# Altium PCB PCB2.PcbDoc
Units mil, origin at the board's own origin, x right, y up, seen from the top; angles counter-clockwise.
Board outline 1900 x 1700 mil, 2 copper layers (Top Layer, Bottom Layer); 10 components, 24 nets, 52 pads, 4 vias.
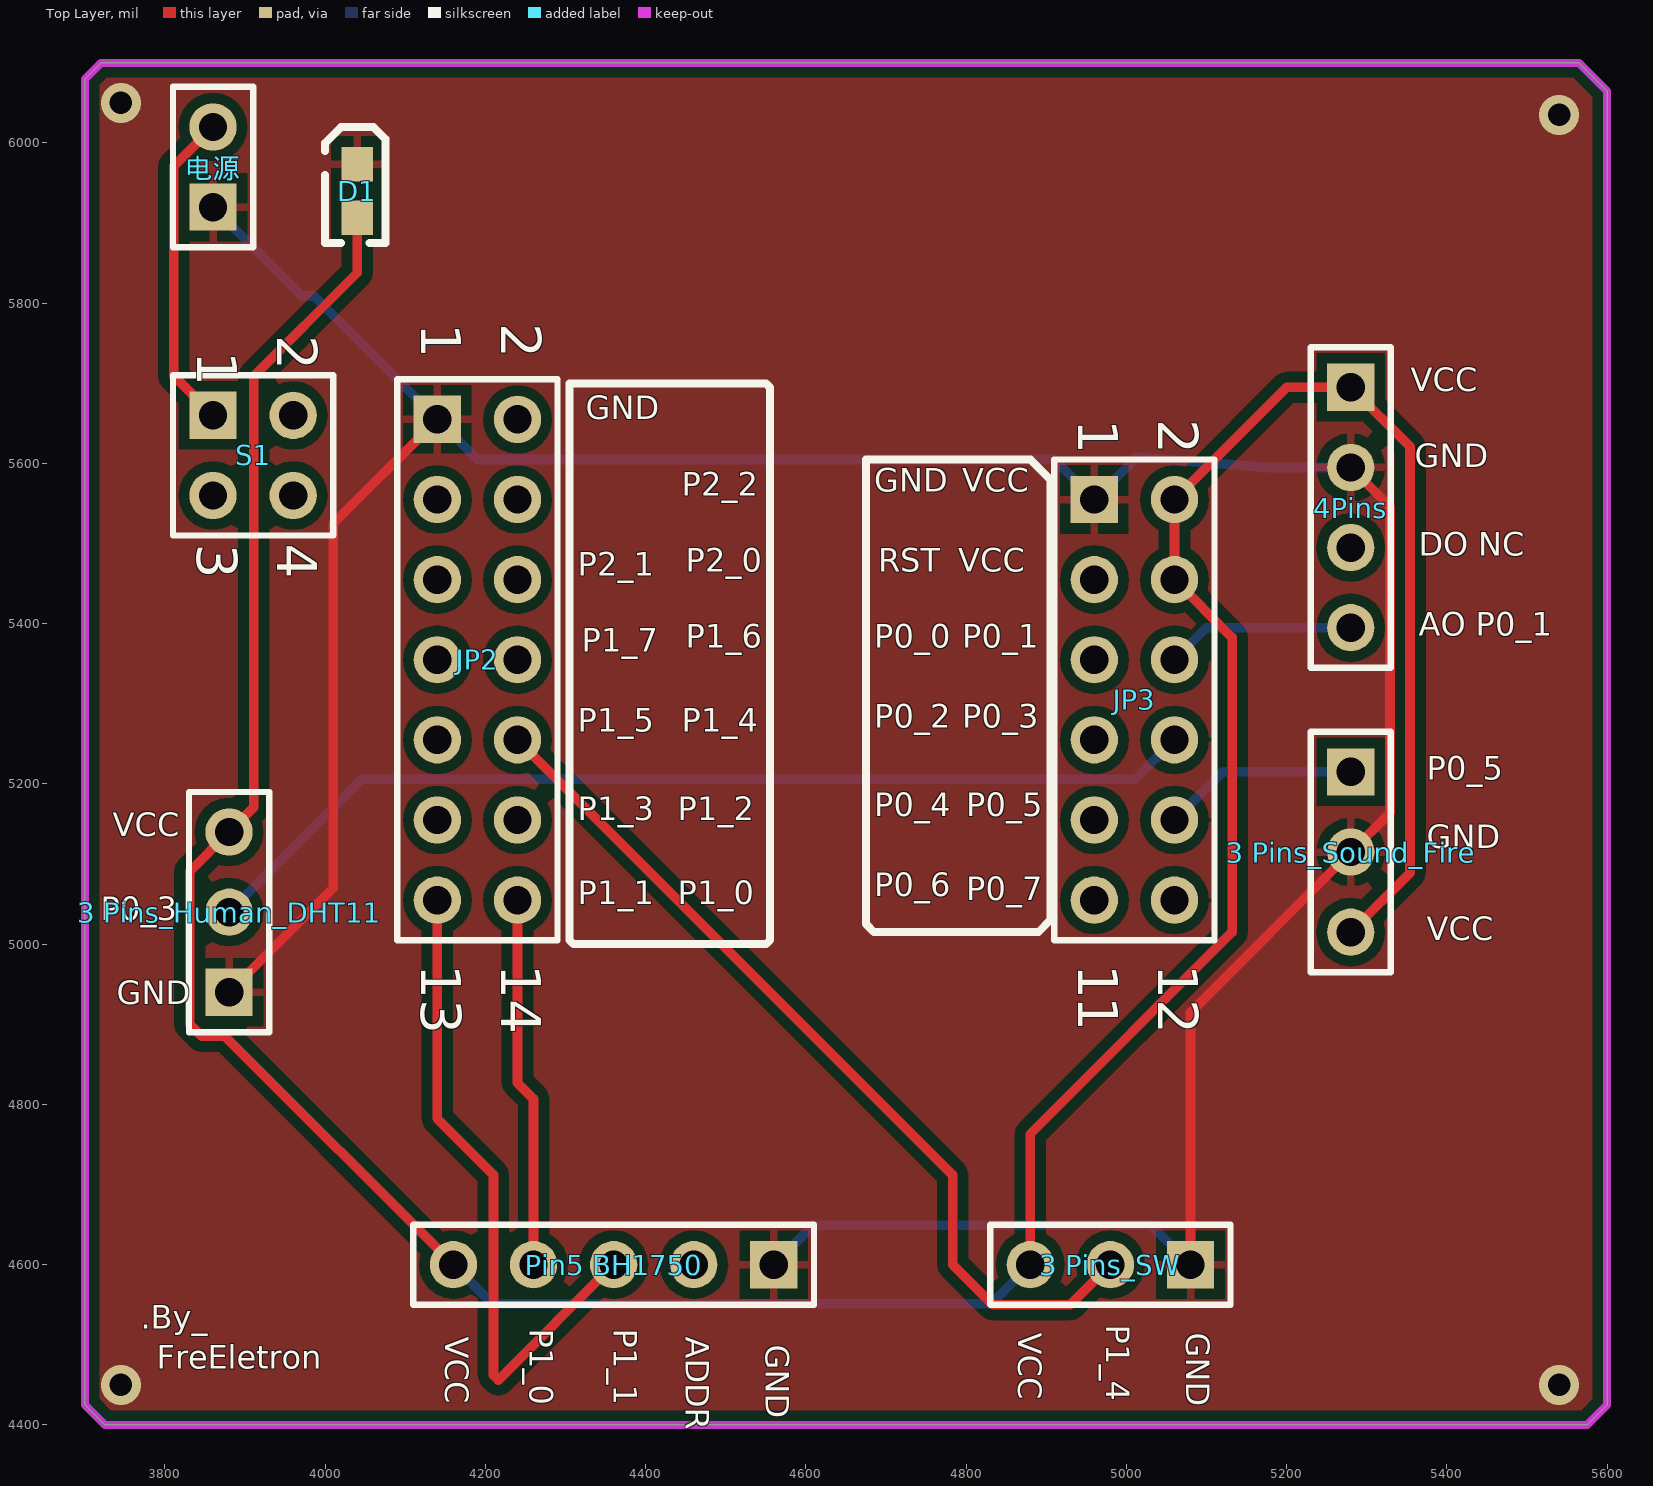
[diagram p0: Top Layer view]
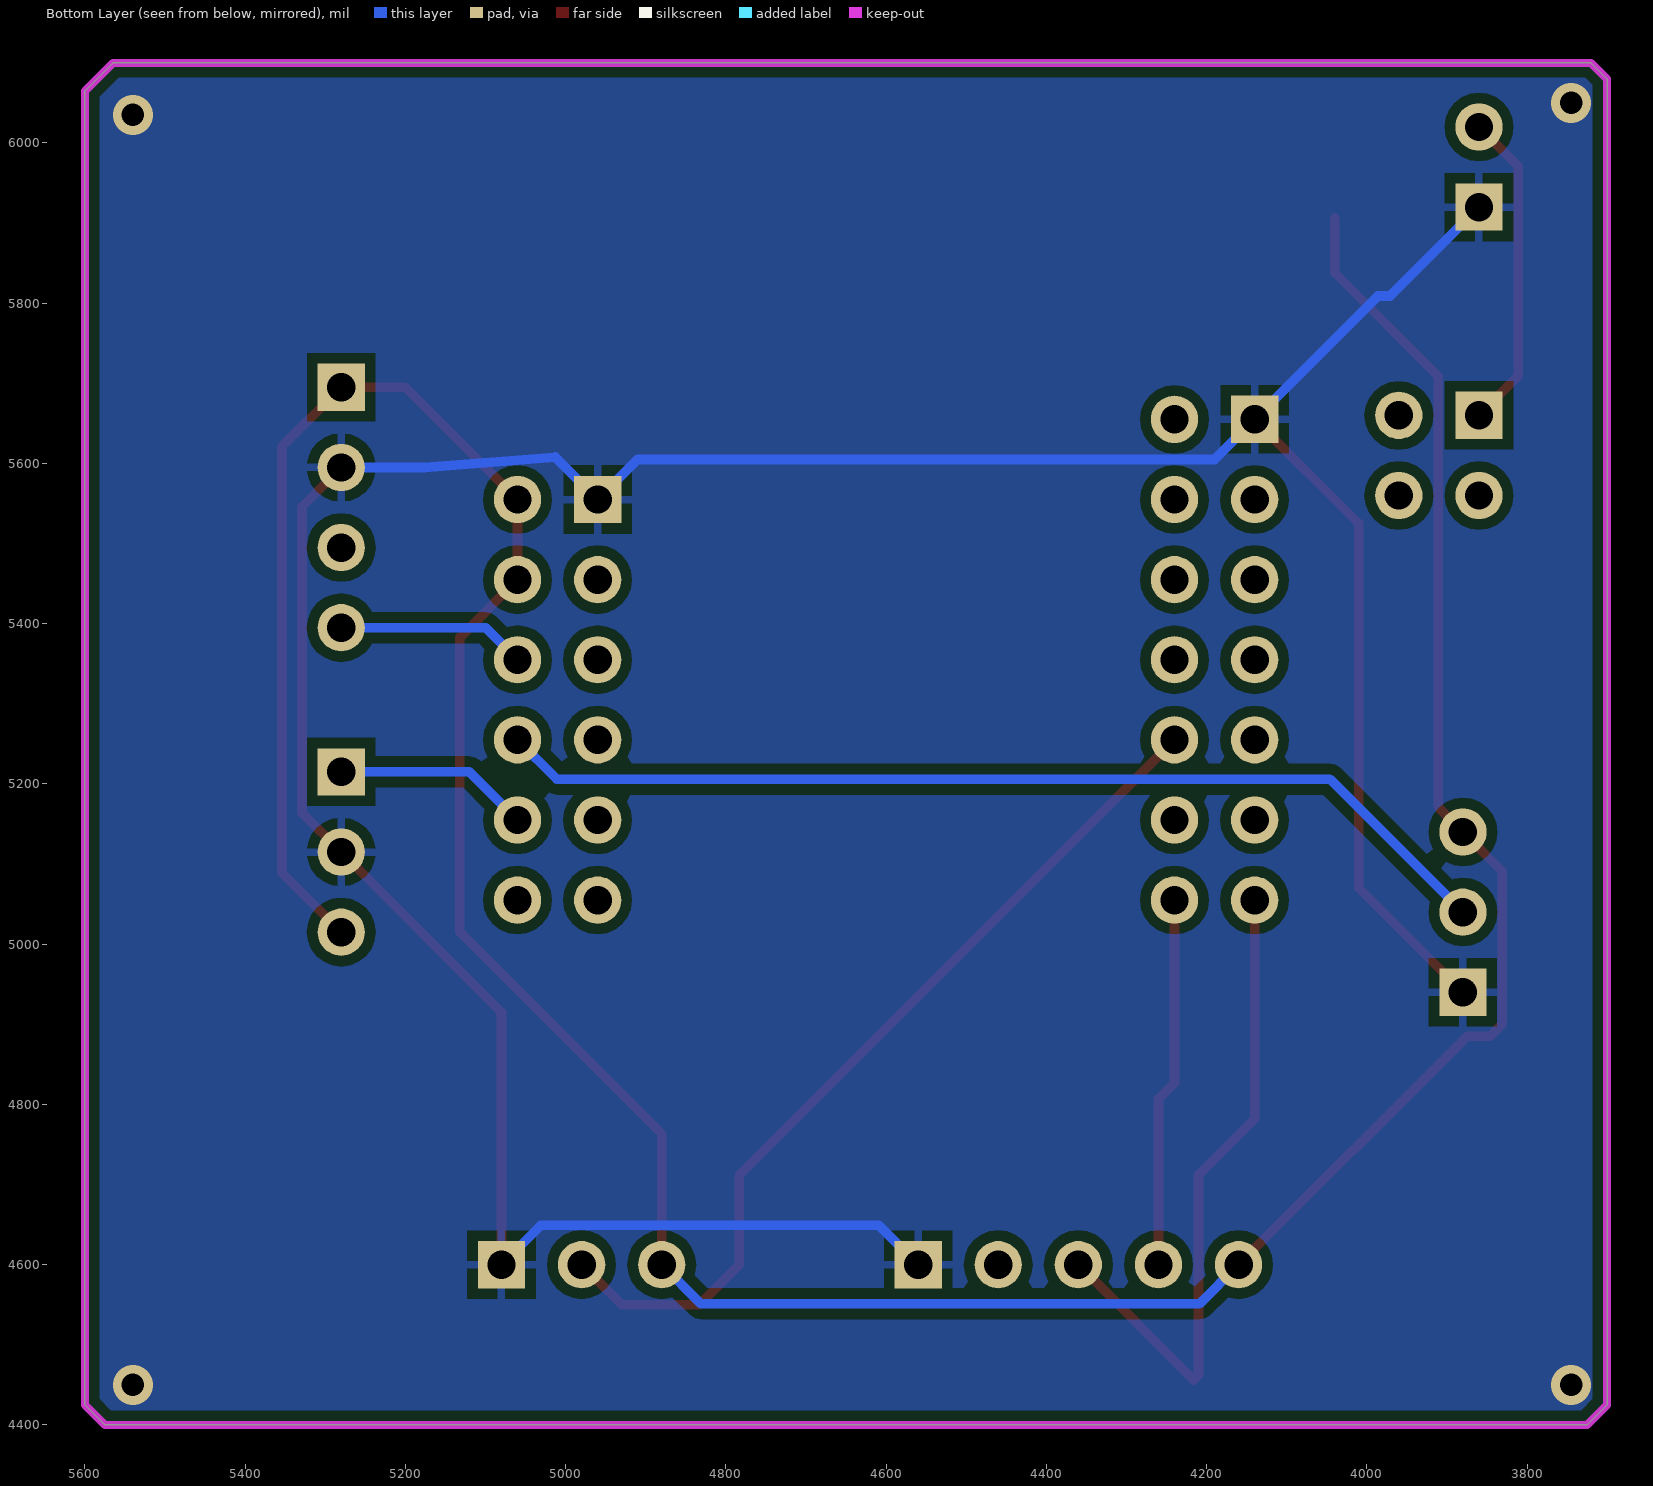
[diagram p1: Bottom Layer view, seen from below]

## Layer stack, top to bottom
Top Layer: signal copper 1.4
Dielectric: dielectric 12.6, FR-4, Dk 4.8
Bottom Layer: signal copper 1.4

## Board outline
3700,4425 3700,6080 3720,6100 5565,6100 5600,6065 5600,4425 5575,4400 3725,4400

## Design rules (kind name [scope] priority, off if disabled: settings)
Clearance [All] p1: gap=13
ComponentClearance [All] p1: gap=10 collisioncheckmode=3 verticalgap=10
PolygonConnect [All] p1: connectstyle=Relief reliefconductorwidth=10 reliefentries=4 polygonreliefangle="90 Angle"
RoutingVias [All] p1: holewidth=32 width=62 viastyle="Through Hole" minholewidth=28 minwidth=50 maxholewidth=28 maxwidth=50
SolderMaskExpansion [All] p1: expansion=4
TestPointUsage [All] p1: valid=0 allowmultiple=FALSE
Testpoint [All] p1: side=15 testpointundercomponent=TRUE minsize=40 maxsize=100 preferedsize=60 minholesize=0 maxholesize=40 preferedholesize=32 testpointgrid=1 style=1023 order=0-112345678
Width [All] p1: maxlimit=12 minlimit=12 preferedwidth=12
18 further rules are at their usual default settings.

## Components (designator, comment, footprint, x,y, rotation, side; value= is the part's Value field where it differs from the comment)
"3 Pins_Human_DHT11" "Header 3" HDR1X3 3880,4940 r90 top
"3 Pins_Sound_Fire" "Header 3" HDR1X3 5280,5215 r270 top
"3 Pins_SW" "Header 3" HDR1X3 5080,4600 r180 top
4Pins "Header 4" HDR1X4 5280,5695 r270 top
D1 "LED" 1608[0603] 4040,5940 r90 top
JP2 "Header 2X7" HDR2X7 4140,5655 r270 top
JP3 "Header 2X6" HDR2X6 4960,5555 r270 top
"Pin5 BH1750" "Header 5" HDR1X5 4560,4600 r180 top
S1 "SW-SPST" HDR2X2 3860,5660 r270 top
电源 "" HDR1X2 3860,5920 r90 top

## Footprints (in the part's own frame and the unit in brackets; to place one, negate y for a bottom-side part, rotate by r counter-clockwise, add the part's x,y. Pads: shape width x height; smd on the part's side, far side on the other; paste and mask are expansions set on the pad)
1608[0603] [mm] "Chip Capacitor; Body 1.6 x 0.8 mm (LxW typ)"
  rect 1.1x1 smd: 1(-0.85,0) 2(0.85,0)
HDR1X2 [mm] "Connector; Header; 2 Position"
  rect 1.5x1.5 hole 0.9: 1(0,0)
  round 1.5 hole 0.9: 2(2.54,0)
  silkscreen extent -1.27,-1.27 3.81,1.27
HDR1X3 [mm] "Connector; Header; 3 Position"
  rect 1.5x1.5 hole 0.9: 1(0,0)
  round 1.5 hole 0.9: 2(2.54,0) 3(5.08,0)
  silkscreen extent -1.27,-1.27 6.35,1.27
HDR1X4 [mm] "Connector; Header; 4 Position"
  rect 1.5x1.5 hole 0.9: 1(0,0)
  round 1.5 hole 0.9: 2(2.54,0) 3(5.08,0) 4(7.62,0)
  silkscreen extent -1.27,-1.27 8.89,1.27
HDR1X5 [mm] "Connector; Header; 5 Position"
  rect 1.5x1.5 hole 0.9: 1(0,0)
  round 1.5 hole 0.9: 2(2.54,0) 3(5.08,0) 4(7.62,0) 5(10.16,0)
  silkscreen extent -1.27,-1.27 11.43,1.27
HDR2X2 [mm] "Connector; Header; 2x2 Position"
  rect 1.5x1.5 hole 0.9: 1(0,0)
  round 1.5 hole 0.9: 2(0,2.54) 3(2.54,0) 4(2.54,2.54)
  silkscreen extent -1.27,-1.27 3.81,3.81
HDR2X6 [mm] "Connector; Header; 6x2 Position"
  rect 1.5x1.5 hole 0.9: 1(0,0)
  round 1.5 hole 0.9: 2(0,2.54) 3(2.54,0) 4(2.54,2.54) 5(5.08,0) 6(5.08,2.54) 7(7.62,0) 8(7.62,2.54) 9(10.16,0) 10(10.16,2.54) 11(12.7,0) 12(12.7,2.54)
  silkscreen extent -1.27,-1.27 13.97,3.81
HDR2X7 [mm] "Connector; Header; 7x2 Position"
  rect 1.5x1.5 hole 0.9: 1(0,0)
  round 1.5 hole 0.9: 2(0,2.54) 3(2.54,0) 4(2.54,2.54) 5(5.08,0) 6(5.08,2.54) 7(7.62,0) 8(7.62,2.54) 9(10.16,0) 10(10.16,2.54) 11(12.7,0) 12(12.7,2.54) 13(15.24,0) 14(15.24,2.54)
  silkscreen extent -1.27,-1.27 16.51,3.81

## Part data
"3 Pins_Human_DHT11" "3 Pins_Sound_Fire" "3 Pins_SW": "Header, 3-Pin"
4Pins: "Header, 4-Pin"
JP2: "Header, 7-Pin, Dual row"
JP3: "Header, 6-Pin, Dual row"
"Pin5 BH1750": "Header, 5-Pin"
S1: "Single-Pole, Single-Throw Switch"
电源: library part H-2, "Header, 2-Pin"

## Via types
v1: diameter 50, hole 28, Top Layer to Bottom Layer, 4 vias

## Nets (pads, with @x,y where several pads share a name; then routed paths per layer and width w, separated by ;. In a path a pad name is that pad's centre, name@x,y a point inside that pad or via, vN(x,y) a via of type N, cw(c..) or ccw(c..) an arc to the next point about the centre after c; other vN are vias at no path point)
3.3V: 4Pins.1 "3 Pins_Human_DHT11.3" "3 Pins_Sound_Fire.3" "3 Pins_SW.3" "Pin5 BH1750.5" D1.1 JP3.2 JP3.4 | length 4415.5
  Top Layer w12: D1.1 4040,5838 3911,5709 3911,5171 3880,5140 3831,5091 3831,4900 3846,4885 3875,4885 4160,4600 ; 4880,4600 4880,4763 5132,5015 5132,5383 JP3.4 JP3.2 5200,5695 4Pins.1 5354,5621 5354,5089 5280,5015
  Bottom Layer w12: 4160,4600 4209,4551 4831,4551 4880,4600
GND: 4Pins.2 "3 Pins_Human_DHT11.1" "3 Pins_Sound_Fire.2" "3 Pins_SW.1" "Pin5 BH1750.1" D1.2 JP2.1 JP3.1 电源.1 | length 4095.4
  Top Layer w12: 3880,4940 4010,5070 4010,5525 JP2.1 ; 5080,4600 5080,4915 5280,5115 5329,5164 5329,5546 4Pins.2
  Bottom Layer w12: 电源.1 3971,5809 3986,5809 JP2.1 4190,5605 4910,5605 JP3.1 5013,5608 5176,5595 4Pins.2 ; 4560,4600 4609,4649 5031,4649 5080,4600
  other v1: 3745,4450 5540,4450 5540,6035 3745,6050
NetD1_A: S1.2
NetS1_1: S1.1 电源.2 | length 400.6
  Top Layer w12: S1.1 3811,5709 3811,5971 电源.2
P0_0: JP3.5
P0_1: 4Pins.4 JP3.6 | length 236.6
  Bottom Layer w12: JP3.6 5100,5395 4Pins.4
P0_2: JP3.7
P0_3: "3 Pins_Human_DHT11.2" JP3.8 | length 1269.1
  Bottom Layer w12: 3880,5040 4046,5206 5011,5206 JP3.8
P0_4: JP3.9
P0_5: "3 Pins_Sound_Fire.1" JP3.10 | length 244.9
  Bottom Layer w12: JP3.10 5120,5215 5280,5215
P0_6: JP3.11
P0_7: JP3.12
P1_0: "Pin5 BH1750.4" JP2.14 | length 463.3
  Top Layer w12: JP2.14 4240,4827 4260,4807 4260,4600
P1_1: "Pin5 BH1750.3" JP2.13 | length 834.1
  Top Layer w12: JP2.13 4140,4782 4210,4712 4210,4462 4216,4456 4360,4600
P1_2: JP2.12
P1_3: JP2.11
P1_4: "3 Pins_SW.2" JP2.10 | length 1118.3
  Top Layer w12: JP2.10 4783,4712 4783,4600 4833,4550 4930,4550 4980,4600
P1_5: JP2.9
P1_6: JP2.8
P1_7: JP2.7
P2_0: JP2.6
P2_1: JP2.5
P2_2: JP2.4
RESET: JP3.3
pads on no net: 4Pins.3 "Pin5 BH1750.2" JP2.2 JP2.3 S1.3 S1.4

## Polygon pours and split planes (outlines as drawn)
GND on Top Layer "Top Layer-No Net" (solid, remove dead copper, pour order 1000): 3425,6295 6265,6295 6265,4785 5710,4230 5640,4160 3315,4160
GND on Bottom Layer "Top Layer-No Net" (solid, remove dead copper, pour order 1001): 3530,4270 6140,4270 6220,4350 5965,4605 5965,6335 3280,6335 3110,6505

## Keep-outs
Keep-Out Layer:
  lines w10: 3725,6100 3720,6100 ; 3720,6100 3700,6080 3700,4425 3725,4400 5465,4400 5575,4400 5600,4425 5600,6065 5565,6100 3720,6100

## Silkscreen, mask and mechanical layers (free items; w line width, h text height)
Top Overlay:
  lines w10: 4000,5960 4000,5875 4020,5875 ; 4000,5990 4000,6000 4019,6019 4020,6020 4060,6020 4075,6005 4075,5875 4055,5875 ; 4305,5005 4305,5700 4550,5700 4555,5695 4555,5005 4550,5000 4310,5000 4305,5005 ; 4675,5025 4675,5605 4880,5605 4905,5580 4905,5030 4890,5015 4685,5015 4675,5025
  text "VCC" at 5355,5680 h50
  text "GND" at 4325,5645 h50
  text "GND" at 5360,5585 h50
  text "GND" at 4685,5555 h50
  text "VCC" at 4795,5555 h50
  text "P2_2" at 4445,5550 h50
  text "DO NC" at 5365,5475 h50
  text "P2_0" at 4450,5455 h50
  text "RST" at 4690,5455 h50
  text "VCC" at 4790,5455 h50
  text "P2_1" at 4315,5450 h50
  text "AO P0_1" at 5365,5375 h50
  text "P1_6" at 4450,5360 h50
  text "P0_0" at 4685,5360 h50
  text "P0_1" at 4795,5360 h50
  text "P1_7" at 4320,5355 h50
  text "P0_2" at 4685,5260 h50
  text "P0_3" at 4795,5260 h50
  text "P1_5" at 4315,5255 h50
  text "P1_4" at 4445,5255 h50
  text "P0_5" at 5375,5195 h50
  text "P0_4" at 4685,5150 h50
  text "P0_5" at 4800,5150 h50
  text "P1_3" at 4315,5145 h50
  text "P1_2" at 4440,5145 h50
  text "VCC" at 3735,5125 h50
  text "GND" at 5375,5110 h50
  text "P0_6" at 4685,5050 h50
  text "P0_7" at 4800,5045 h50
  text "P1_1" at 4315,5040 h50
  text "P1_0" at 4440,5040 h50
  text "P0_3" at 3720,5020 h50
  text "VCC" at 5375,4995 h50
  text "GND" at 3740,4915 h50
  text "P1_4" at 4965,4525 h50 r270
  text "P1_0" at 4245,4520 h50 r270
  text "P1_1" at 4350,4520 h50 r270
  text "VCC" at 4855,4515 h50 r270
  text "GND" at 5065,4515 h50 r270
  text ".By_" at 3770,4510 h50
  text "VCC" at 4140,4510 h50 r270
  text "ADDR" at 4440,4510 h50 r270
  text "GND" at 4540,4500 h50 r270
  text "FreEletron" at 3790,4460 h50

## Text inside footprints (layer, text, board x,y; h text height)
JP2: Top Overlay "13" at 4120,4975 h50 r270; Top Overlay "14" at 4220,4975 h50 r270; Top Overlay "1" at 4120,5775 h50 r270; Top Overlay "2" at 4220,5775 h50 r270
JP3: Top Overlay "2" at 5040,5655 h50 r270; Top Overlay "1" at 4940,5655 h50 r270; Top Overlay "1" at 4940,4975 h50 r270; Top Overlay "1" at 4940,4935 h50 r270; Top Overlay "12" at 5040,4975 h50 r270
S1: Top Overlay "3" at 3840,5500 h50 r270; Top Overlay "4" at 3940,5500 h50 r270; Top Overlay "2" at 3940,5760 h50 r270; Top Overlay "1" at 3840,5740 h50 r270